# Altium PCB ToucanEyePCB.PcbDoc (part 1 of 5) (continued)
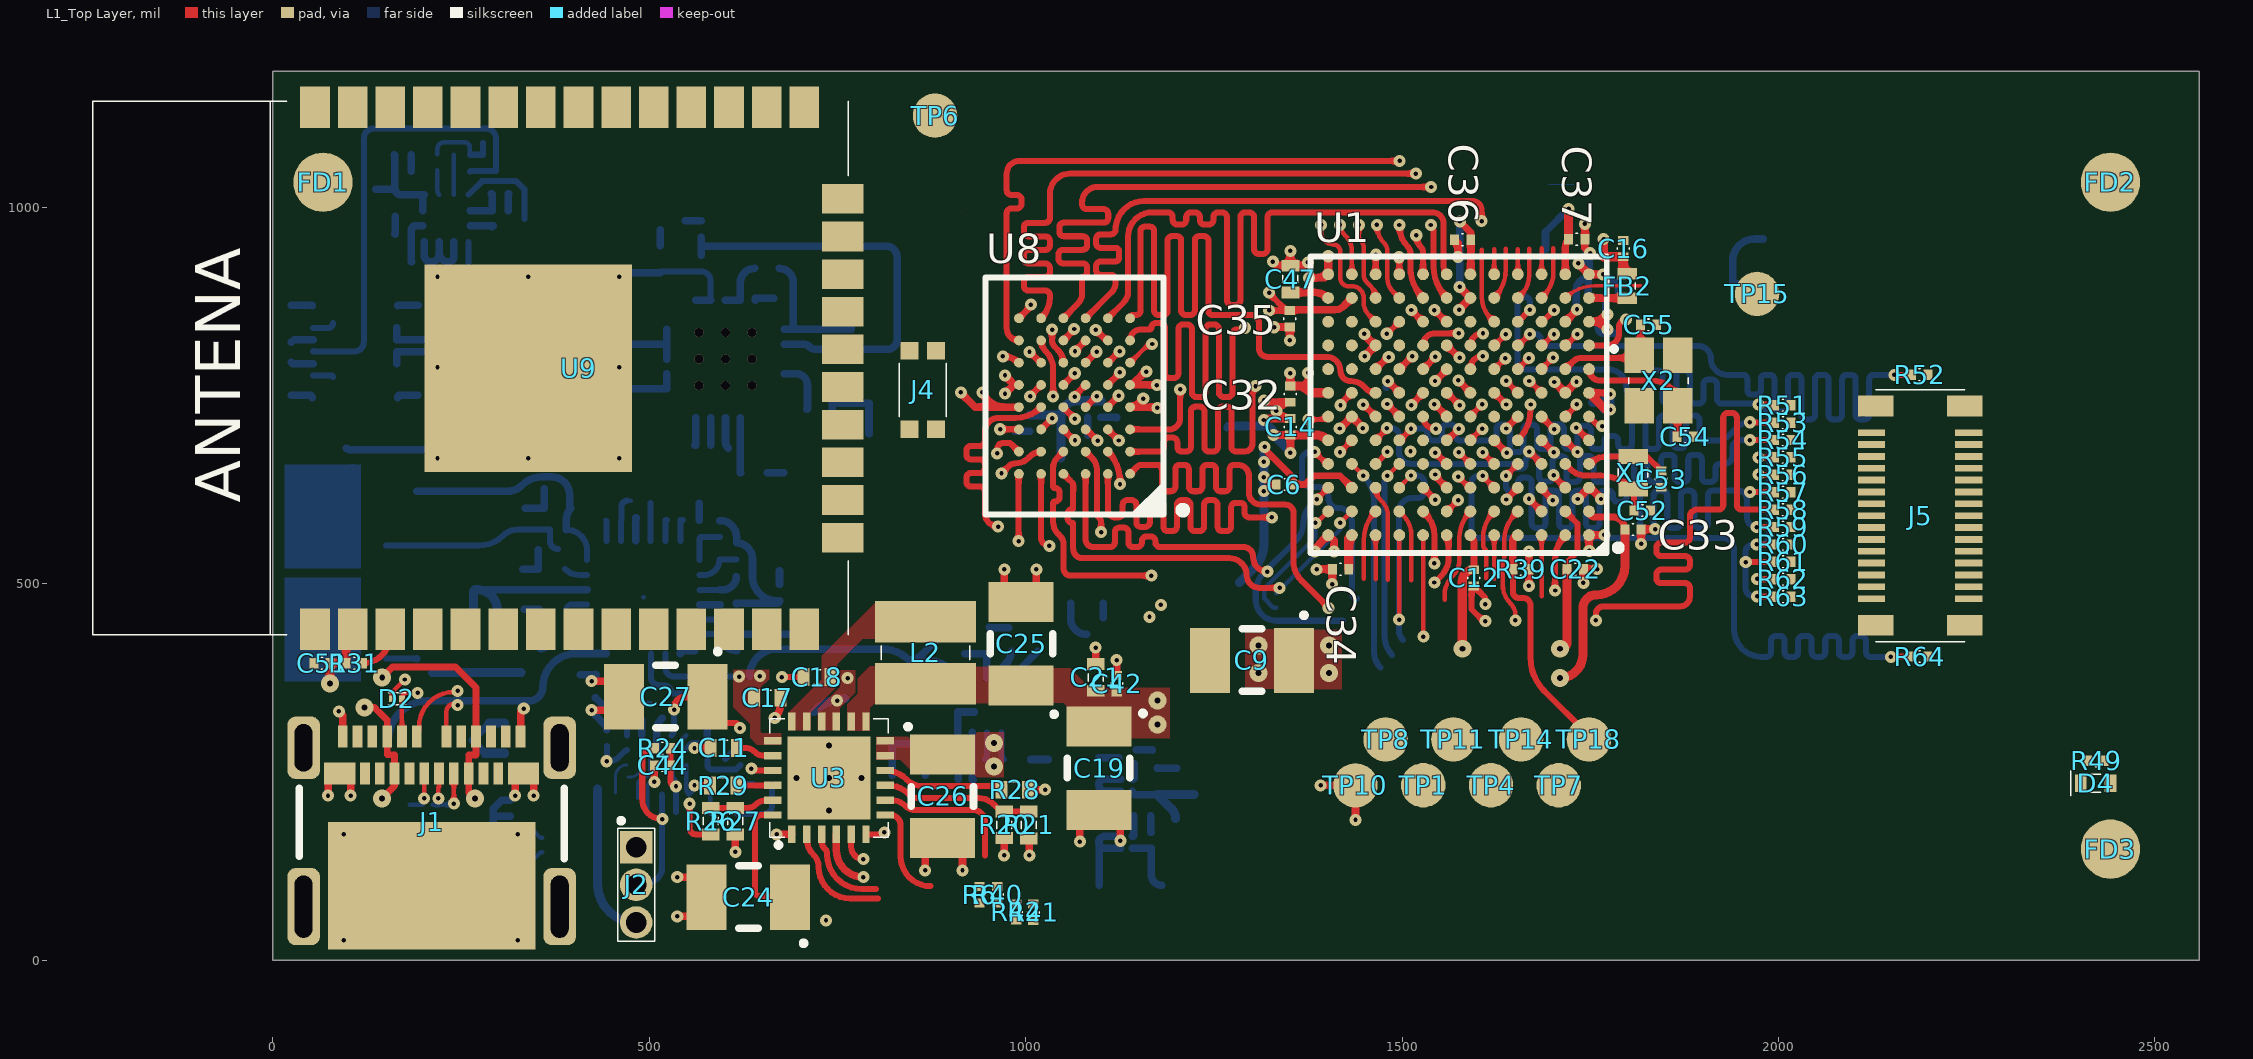
[diagram p0: L1_Top Layer view]
## Classes and differential pairs
net class CAM_DATA: CAM_D0 CAM_D1 CAM_D2 CAM_D3 CAM_D4 CAM_D5 CAM_D6 CAM_D7 CAM_D8 CAM_D9 CAM_HSYNC CAM_PIXCLK CAM_VSYNC CAM_XVCLK
net class PSRAM_DATA: PSRAM_D0 PSRAM_D1 PSRAM_D2 PSRAM_D3 PSRAM_D4 PSRAM_D5 PSRAM_D6 PSRAM_D7 PSRAM_D8 PSRAM_D9 PSRAM_D10 PSRAM_D11 PSRAM_D12 PSRAM_D13 PSRAM_D14 PSRAM_D15
net class PSRAM_ADDRESS: PSRAM_A0 PSRAM_A1 PSRAM_A2 PSRAM_A3 PSRAM_A4 PSRAM_A5 PSRAM_A6 PSRAM_A7 PSRAM_A8 PSRAM_A9 PSRAM_A10 PSRAM_A11 PSRAM_A12 PSRAM_A13 PSRAM_A14 PSRAM_A15 PSRAM_A16 PSRAM_A17 PSRAM_A18 PSRAM_A19 PSRAM_A20 PSRAM_A21 PSRAM_NBL0 PSRAM_NBL1 PSRAM_NE1 PSRAM_NOE PSRAM_NWE PSRAM_ZZ
component class WROOM32: C51 R31 R32 R33 R34 R35 U9
component class TestPoints: FD1 FD2 FD3 FD4 FD5 FD6 TP1 TP2 TP4 TP5 TP6 TP7 TP8 TP10 TP11 TP12 TP13 TP14 TP15 TP16 TP17 TP18 TP19 TP20 TP21
component class SWITCH: C69 C70 C71 C72 C73 C74 D4 J4 J5 R44 R49 R51 R52 R53 R54 R55 R56 R57 R58 R59 R60 R61 R62 R63 R64 R65 R66 U13
component class PSRAM: C49 C50 C56 U8
component class DC: C1 C2 C3 C7 C8 C10 C11 C17 C18 C19 C21 C23 C24 C25 C26 C27 C28 C29 C30 C31 C39 C40 C41 C42 C43 C44 C45 C46 C67 C68 D2 D3 FB1 J1 J2 L1 L2 Q1 Q2 R1 R2 R3 R4 R5 R6 R7 R8 R9 R10 R11 R12 R13 R14 R15 R16 R17 R18 R19 R20 R21 R22 R23 R24 R25 R26 R27 R28 R29 R40 R41 R42 R43 U2 U3 U4 U5 U6 U7 U12
component class CPU: C6 C9 C12 C13 C14 C15 C16 C20 C22 C32 C33 C34 C35 C36 C37 C38 C47 C48 C52 C53 C54 C55 FB2 R30 R39 U1 X1 X2
component class AUDIO: C4 C57 C58 C60 C61 C62 C63 FB3 FB4 J3 L3 R36 R37 R38 U10 U11
differential pair SPEAKER: +SPEAKER_P -SPEAKER_N
differential pair DUSB: +DUSB_P -DUSB_N
differential pair DUSB_MCU: +DUSB_MCU_P -DUSB_MCU_N

## Components (designator, comment, footprint, x,y, rotation, side; value= is the part's Value field where it differs from the comment)
C1 "C0402_1uF_TMK105BJ105MV-F" C_0402 378.1,600.2 r0 bottom
C2 "C0402_1uF_TMK105BJ105MV-F" C_0402 370.4,519.7 r0 bottom
C3 "C0402_1uF_TMK105BJ105MV-F" C_0402 371.6,466.1 r0 bottom
C4 "C0402_1uF_TMK105BJ105MV-F" C_0402 514.9,931.1 r270 bottom
C6 "C0201_100n_GRM033R6YA104KE14D" C_0201 1343.7,631.95 r180 top
C7 "C_22u_TANTAL_A_T491A226K006AT" C_3216 845.25,343.2 r270 bottom
C8 "C_10u_TANTAL_A_T491A106K010AT7280" C_3216 1081.05,377.3 r90 bottom
C9 "C_4.7u_TANTAL_A_TAJA475K016UNJ" C_3216 1300.7,398.35 r180 top
C10 "C0402_10n_C0402C103K4PACTU" C_0402 988.95,266.7 r180 bottom
C11 "C0402_1uF_TMK105BJ105MV-F" C_0402 599.1,282.1 r180 top
C12 "C0201_100n_GRM033R6YA104KE14D" C_0201 1595.2,507.85 r270 top
C13 "C_1u_TANTAL_A_293D105X0025A2TE3" C_3216 1690.6,1000.15 r90 bottom
C14 "C0201_100n_GRM033R6YA104KE14D" C_0201 1351.7,708.65 r90 top
C15 "C_1u_TANTAL_A_293D105X0025A2TE3" C_3216 1883.6,928.8 r0 bottom
C16 "C0201_10n_CGA1A2X7R1A103K030BA" C_0201 1793.7,945.35 r90 top
C17 "C0402_2.2u_GRT155R61E225KE13D" C_0402 656.9,348.6 r0 top
C18 "C0402_33n_GCM155R71E333KA55D" C_0402 722.8,376.2 r0 top
C19 "C_22u_TANTAL_A_T491A226K006AT" C_3216 1097.5,255.2 r270 top
C20 "C0201_100n_GRM033R6YA104KE14D" C_0201 1758.5,906.6 r0 bottom
C21 "C0402_1uF_TMK105BJ105MV-F" C_0402 1093.1,375.8 r270 top
C22 "C0201_100n_GRM033R6YA104KE14D" C_0201 1730.2,519.55 r180 top
C23 "C_1u_TANTAL_A_293D105X0025A2TE3" C_3216 209.2,292.4 r0 bottom
C24 "C_1u_TANTAL_A_293D105X0025A2TE3" C_3216 631.8,83.7 r180 top
C25 "C_22u_TANTAL_A_T491A226K006AT" C_3216 993.9,420.4 r90 top
C26 "C_1u_TANTAL_A_293D105X0025A2TE3" C_3216 889.8,217.8 r270 top
C27 "C_1u_TANTAL_A_293D105X0025A2TE3" C_3216 521.9,350.1 r180 top
C28 "C0402_33n_GCM155R71E333KA55D" C_0402 599.1,233.4 r180 bottom
C29 "C0402_1uF_TMK105BJ105MV-F" C_0402 1174.9,237.7 r270 bottom
C30 "C0402_1uF_TMK105BJ105MV-F" C_0402 1097.1,251.32 r90 bottom
C31 "C_1u_TANTAL_A_293D105X0025A2TE3" C_3216 270.6,437.1 r270 bottom
C32 "C0201_100n_GRM033R6YA104KE14D" C_0201 1351.7,752.05 r90 top
C33 "C0201_100n_GRM033R6YA104KE14D" C_0201 1806.8,572.25 r180 top
C34 "C0201_100n_GRM033R6YA104KE14D" C_0201 1418.4,519.55 r0 top
C35 "C0201_100n_GRM033R6YA104KE14D" C_0201 1351.1,852.15 r90 top
C36 "C0201_100n_GRM033R6YA104KE14D" C_0201 1580.5,957.15 r0 top
C37 "C0201_100n_GRM033R6YA104KE14D" C_0201 1732.1,957.55 r180 top
C38 "C0201_100n_GRM033R6YA104KE14D" C_0201 1752.2,752.05 r270 bottom
C39 "C0201_100n_GRM033R6YA104KE14D" C_0201 307,104.4 r180 bottom
C40 "C0201_100n_GRM033R6YA104KE14D" C_0201 673.1,488.4 r270 bottom
C41 "C0201_100n_GRM033R6YA104KE14D" C_0201 1146.9,290.4 r270 bottom
C42 "C0201_100n_GRM033R6YA104KE14D" C_0201 1120.9,367.4 r270 top
C43 "C0201_100n_GRM033R6YA104KE14D" C_0201 577.3,278.53 r90 bottom
C44 "C0201_100n_GRM033R6YA104KE14D" C_0201 517.7,258.8 r0 top
C45 "C0201_100n_GRM033R6YA104KE14D" C_0201 458.4,332.8 r180 bottom
C46 "C0201_100n_GRM033R6YA104KE14D" C_0201 600.4,278.53 r90 bottom
C47 "C0402_2.2u_GRT155R61E225KE13D" C_0402 1351.7,904.85 r270 top
C48 "C0201_100n_GRM033R6YA104KE14D" C_0201 1761,850.2 r90 bottom
C49 "C0201_100n_GRM033R6YA104KE14D" C_0201 1005.7,713.55 r90 bottom
C50 "C0201_100n_GRM033R6YA104KE14D" C_0201 1100.1,732.42 r90 bottom
C51 "C0201_100n_GRM033R6YA104KE14D" C_0201 65.4,394.6 r0 top
C52 "C0201_5.6pF_GRM0335C1H5R6BA01D" C_0201 1819.23,597.4 r180 top
C53 "C0201_5.6pF_GRM0335C1H5R6BA01D" C_0201 1844.2,639.2 r270 top
C54 "C0201_6.8pF_GJM0335C1E6R8CB01D" C_0201 1876.3,695.35 r0 top
C55 "C0201_6.8pF_GJM0335C1E6R8CB01D" C_0201 1827.6,843.95 r180 top
C56 "C0402_10u_GRM155C80J106ME11D" C_0402 1064.6,721.25 r180 bottom
C57 "C0201_100n_GRM033R6YA104KE14D" C_0201 2172.6,658.95 r270 bottom
C58 "C_22u_TANTAL_A_T491A226K006AT" C_3216 406.3,891.7 r180 bottom
C60 "C_10u_TANTAL_A_T491A106K010AT7280" C_3216 768.1,795.3 r270 bottom
C61 "C0402_1uF_TMK105BJ105MV-F" C_0402 622.9,679.9 r180 bottom
C62 "C0402_1uF_TMK105BJ105MV-F" C_0402 639,647.6 r180 bottom
C63 "C0402_10u_GRM155C80J106ME11D" C_0402 2199.8,624.45 r90 bottom
C67 "C0402_1uF_TMK105BJ105MV-F" C_0402 1097.1,174.1 r270 bottom
C68 "C0201_100n_GRM033R6YA104KE14D" C_0201 1166.7,159.1 r270 bottom
C69 "C0201_100n_GRM033R6YA104KE14D" C_0201 2207.5,672.05 r270 bottom
C70 "C0201_100n_GRM033R6YA104KE14D" C_0201 2207.5,620.95 r90 bottom
C71 "C0201_100n_GRM033R6YA104KE14D" C_0201 2207.5,555.95 r90 bottom
C72 "C0402_10n_C0402C103K4PACTU" C_0402 162.9,1005.7 r270 bottom
C73 "C0201_100n_GRM033R6YA104KE14D" C_0201 302.1,995.4 r0 bottom
C74 "C0201_100n_GRM033R6YA104KE14D" C_0201 173,1048 r180 bottom
D2 "ESDALC5-1BF4" DFN35P60X32-2N 165,347.5 r0 top
D3 "ESDALC5-1BF4" DFN35P60X32-2N 205.7,206.5 r0 bottom
D4 "SM0402PGC" LED0402 2421.2,235.15 r180 top
FB1 "BLM18PG-121SN1D" L_0603 144.1,89.1 r180 bottom
FB2 "BLM15AG121SN1D" L_0402 1799.2,895.65 r270 top locked
FB3 "BLM18EG121SN1D" L_0603 416.06,809.1 r180 bottom
FB4 "BLM18EG121SN1D" L_0603 416.06,758 r180 bottom
FD1 "Fiducial" Fiducial#1 66.8,1033.4 r0 top
FD2 "Fiducial" Fiducial#2 2476.7,1055.4 r90 top
FD3 "Fiducial" Fiducial#3 2485.5,-219.2 r90 top
FD4 "Fiducial" Fiducial#4 65.2,1268.6 r90 top
FD5 "Fiducial" Fiducial#5 2453.6,1413.6 r90 top
FD6 "Fiducial" Fiducial#6 2720.8,2573.3 r90 top
J1 "105450-0101" "USB TYPE C (MOLEX)" 211,149.98 r0 top
J2 "Goldpin 3x1.27mm NDI" "HEADER 3x1.27mm" 482.7,150.2 r270 top net-tie
J3 "BM10NB(0.6)-10DS-0.4V(51)" BM10NB(0.6)-10DS-0.4V(51) 109.1,808.4 r90 bottom
J4 "EVP-BB2A9B000" CON_EVP-BB2A9B000 863.4,757.6 r270 top
J5 "AXT530124" AXT530124 2188.33,590.55 r90 top
L1 "L_1u_3x3_74438334010" L_3x3 719.2,372 r90 bottom
L2 "l_1U_3X3_74438336010" L_3x3 867,408.5 r270 top
L3 "744765062A" L_0402 656.3,919 r180 bottom
Q1 "STL9P3LLH6" PowerFLAT 90.5,439.2 r270 bottom
Q2 "STL9P3LLH6" PowerFLAT 90.24,589.59 r270 bottom
R1 "R0402_50k_CRCW040250K0FKED" R_0402 919.35,424.6 r90 bottom
R2 "R0402_20k_ERJ-2RKF2002X" R_0402 951.75,424.6 r270 bottom
R3 "R0402_100k_ERJ-2RKF1003X" R_0402 998.55,410.4 r0 bottom
R4 "R0402_0ohm_RC0402FR-070RL" R_0402 927.95,266.7 r0 bottom
R5 "R0201_10k_ERJ-1GNF1002C" R_0201 379.2,571.9 r0 bottom
R6 "R0201_10k_ERJ-1GNF1002C" R_0201 938.8,87.07 r270 top
R7 "R0201_1k_ERJ-1GNF1001C" R_0201 380,432.8 r180 bottom
R8 "R0201_10k_ERJ-1GNF1002C" R_0201 616,422.1 r90 bottom
R9 "R0201_10k_ERJ-1GNF1002C" R_0201 482.8,369.9 r270 bottom
R10 "R0201_10k_ERJ-1GNF1002C" R_0201 622.5,377 r0 bottom
R11 "R0201_10k_ERJ-1GNF1002C" R_0201 616,463.2 r90 bottom
R12 "R0201_10k_ERJ-1GNF1002C" R_0201 616.2,543.5 r90 bottom
R13 "R0201_10k_ERJ-1GNF1002C" R_0201 593.9,573.3 r90 bottom
R14 "R0201_10k_ERJ-1GNF1002C" R_0201 626.4,509.7 r0 bottom
R15 "R0201_10k_ERJ-1GNF1002C" R_0201 440.43,379.2 r180 bottom
R16 "R0201_0_ERJ-1GN0R00C" R_0201 452.4,584.8 r180 bottom
R17 "R0201_0_ERJ-1GN0R00C" R_0201 512.8,584.8 r0 bottom
R18 "R0201_1k_ERJ-1GNF1001C" R_0201 562,354.5 r0 bottom
R19 "R0201_1k_ERJ-1GNF1001C" R_0201 555.5,584.8 r180 bottom
R20 "R0402_100k_ERJ-2RKF1003X" R_0402 971.5,180 r270 top
R21 "R0402_100k_ERJ-2RKF1003X" R_0402 1004.3,179.7 r90 top
R22 "R0402_1.8Mohm_ERJ-2GEJ185X" R_0402 599.1,194.5 r180 bottom
R23 "R0402_18.2k_ERJ-2RKF1822X" R_0402 535,220.1 r0 bottom
R24 "R0201_1k_ERJ-1GNF1001C" R_0201 517.7,281.8 r0 top
R25 "R2512_10m_WW25RR010FTL" R2512 720,90.3 r180 bottom
R26 "R0402_274k_ERJ-2RKF2743X" R_0402 581.7,184.7 r270 top
R27 "R0402_100k_ERJ-2RKF1003X" R_0402 614.4,184.7 r90 top
R28 "R0402_124OHM_ERJ-2RKF1240X" R_0402 985.5,226.6 r180 top
R29 "R0402_0ohm_RC0402FR-070RL" R_0402 598.4,232.1 r0 top
R30 "R0201_10k_ERJ-1GNF1002C" R_0201 1758.5,882.7 r180 bottom
R31 "R0201_10k_ERJ-1GNF1002C" R_0201 108.3,394.6 r180 top
R32 "(NDI)0201" R_0201_NF 637.8,1058.1 r180 bottom value=R
R33 "(NDI)0201" R_0201_NF 637.8,1011.2 r180 bottom value=R
R34 "R0201_0_ERJ-1GN0R00C" R_0201 637.8,1034.7 r180 bottom
R35 "R0201_0_ERJ-1GN0R00C" R_0201 637.8,1081.3 r180 bottom
R36 "R0201_10k_ERJ-1GNF1002C" R_0201 2172.6,615.55 r90 bottom
R37 "R0201_88.7k_ERJ-1GNF8872C" R_0201 569.02,971.3 r270 bottom
R38 "R0201_453k_RC0201FR-07453KL" R_0201 569,925.6 r270 bottom
R39 "R0201_100k_CRCW0201100KJN-ED" R_0201 1658,519.55 r180 top
R40 "R0201_10k_ERJ-1GNF1002C" R_0201 962.2,87.1 r270 top
R41 "R0201_10k_ERJ-1GNF1002C" R_0201 1010.1,63.67 r90 top
R42 "R0201_10k_ERJ-1GNF1002C" R_0201 987.7,64.17 r90 top
R43 "R0201_10k_ERJ-1GNF1002C" R_0201 443.7,295.33 r90 bottom
R44 "(NDI)0201" R_0201_NF 218.8,1060 r90 bottom value=R
R49 "R0201_100R_ERJ-1GNF1000C" R_0201 2422,265.25 r180 top
R51 "R0201_22R_ERJ-1GNF22R0C" R_0201 2005.8,737.35 r0 top
R52 "R0201_22R_ERJ-1GNF22R0C" R_0201 2187.6,777.7 r180 top
R53 "R0201_22R_ERJ-1GNF22R0C" R_0201 2005.8,714.23 r0 top
R54 "R0201_22R_ERJ-1GNF22R0C" R_0201 2005.8,691.1 r0 top
R55 "R0201_22R_ERJ-1GNF22R0C" R_0201 2005.8,667.98 r0 top
R56 "R0201_22R_ERJ-1GNF22R0C" R_0201 2005.8,644.86 r0 top
R57 "R0201_22R_ERJ-1GNF22R0C" R_0201 2005.8,621.74 r0 top
R58 "R0201_22R_ERJ-1GNF22R0C" R_0201 2005.8,598.61 r0 top
R59 "R0201_22R_ERJ-1GNF22R0C" R_0201 2005.8,575.49 r0 top
R60 "R0201_22R_ERJ-1GNF22R0C" R_0201 2005.8,552.37 r0 top
R61 "R0201_22R_ERJ-1GNF22R0C" R_0201 2005.8,529.25 r0 top
R62 "R0201_22R_ERJ-1GNF22R0C" R_0201 2005.8,506.12 r0 top
R63 "R0201_22R_ERJ-1GNF22R0C" R_0201 2005.8,483 r0 top
R64 "R0201_22R_ERJ-1GNF22R0C" R_0201 2187.6,403.5 r180 top
R65 "(NDI)0201" R_0201_NF 251.5,1047.45 r0 bottom value=R
R66 "R0201_0_ERJ-1GN0R00C" R_0201 251.5,1070 r0 bottom
TP1 "Test_Point" TP#1 1528.2,232.5 r180 bottom
TP2 "Test_Point" TP#1 1098,99.6 r90 top
TP4 "Test_Point" TP#2 1618.2,232.81 r90 top
TP5 "Test_Point" TP#1 220.1,678.3 r90 top
TP6 "Test_Point" TP#3 879.7,1121.9 r90 top
TP7 "Test_Point" TP#4 1693.1,229.5 r90 top
TP8 "Test_Point" TP#5 1478.6,292.8 r90 top
TP10 "Test_Point" TP#6 1437.9,232.4 r90 top
TP11 "Test_Point" TP#7 1568.2,293.1 r90 top
TP12 "Test_Point" TP#3 857.5,1008.5 r90 bottom
TP13 "Test_Point" TP#3 318.9,707.1 r90 bottom
TP14 "Test_Point" TP#8 1658.2,289 r90 top
TP15 "Test_Point" TP#3 1971.6,885.1 r90 top
TP16 "Test_Point" TP#1 449.8,1024.7 r90 top
TP17 "Test_Point" TP#1 449.8,1106 r90 top
TP18 "Test_Point" TP#9 1747.6,292.2 r90 top
TP19 "Test_Point" TP#1 700.79,1009.1 r90 top
TP20 "Test_Point" TP#10 701.7,1081.9 r90 top
TP21 "Test_Point" TP#1 1181.1,99.6 r90 top
U1 "STM32L4R9ZIJ6" BGA144C80P12X12_1000X1000X60 1575.14,737.99 r180 top locked
U2 "STUSB1602AQTR" QFN24 492.3,482.3 r270 bottom
U3 "BQ24250RGET" VQFN 738.8,242.19 r90 top
U4 "TPS62097RWKT" VQFN_11 958.39,338.64 r0 bottom
U5 "BQ27532YZFT-G1" DSBGA-15_PINS 510,279.02 r270 bottom
U6 "TLV70533PYFPR" DSBGA 1134,232.6 r180 bottom
U7 "USBLC6-2P6" SOT-666 291.3,153 r180 bottom
U8 "IS66WVE4M16EBLL-70BLI" BGA48C75P6X8_600X800X120 1064.96,749.47 r180 top locked
U9 "WROOM-32" WROOM-32 262.73,786.45 r90 top
U10 "MP34DT01TR" HCLGA 2119.27,600.05 r180 bottom
U11 "TPA2014D1RGPT" QFN_16x0,5 601.38,798.71 r180 bottom
U12 "TLV70515YFPT" DSBGA 1134,156.67 r180 bottom
U13 "LIS2DW12TR" LGA-12 230.69,985.65 r180 bottom
X1 "ABS05-32.768KHZ-9-T" CRYSTAL_1.6X1 1807,647.55 r270 top
X2 "CX2520DB16000F0FDFC1" CRYSTAL_2.5x2 1840.6,769.95 r270 top

## Footprints (in the part's own frame and the unit in brackets; to place one, negate y for a bottom-side part, rotate by r counter-clockwise, add the part's x,y. Pads: shape width x height; smd on the part's side, far side on the other; paste and mask are expansions set on the pad)
AXT530124 [mm]
  rect 0.23x0.92 smd paste+0 mask+0.051: 1(2.8,1.64) 2(2.8,-1.64) 3(2.4,1.64) 4(2.4,-1.64) 5(2,1.64) 6(2,-1.64) 7(1.6,1.64) 8(1.6,-1.64) 9(1.2,1.64) 10(1.2,-1.64) 11(0.8,1.64) 12(0.8,-1.64) 13(0.4,1.64) 14(0.4,-1.64) 15(0,1.64) 16(0,-1.64) 17(-0.4,1.64) 18(-0.4,-1.64) 19(-0.8,1.64) 20(-0.8,-1.64) 21(-1.2,1.64) 22(-1.2,-1.64) 23(-1.6,1.64) 24(-1.6,-1.64) 25(-2,1.64) 26(-2,-1.64) 27(-2.4,1.64) 28(-2.4,-1.64) 29(-2.8,1.64) 30(-2.8,-1.64)
  rect 0.7x1.2 smd paste+0 mask+0.051: TP(-3.7,-1.5) TP(-3.7,1.5) TP(3.7,-1.5) TP(3.7,1.5)
  silkscreen extent -4.25,-1.5 4.25,1.5
BGA48C75P6X8_600X800X120 [mm] "BGA, 48-Leads, Body 6,00x8,00mmx1,20mm, Pitch 0,75mm"
  round 0.33 smd mask+0.051: A1(-1.875,2.625) A2(-1.125,2.625) A3(-0.375,2.625) A4(0.375,2.625) A5(1.125,2.625) A6(1.875,2.625) B1(-1.875,1.875) B2(-1.125,1.875) B3(-0.375,1.875) B4(0.375,1.875) B5(1.125,1.875) B6(1.875,1.875) C1(-1.875,1.125) C2(-1.125,1.125) C3(-0.375,1.125) C4(0.375,1.125) C5(1.125,1.125) C6(1.875,1.125) D1(-1.875,0.375) D2(-1.125,0.375) D3(-0.375,0.375) D4(0.375,0.375) D5(1.125,0.375) D6(1.875,0.375) E1(-1.875,-0.375) E2(-1.125,-0.375) E3(-0.375,-0.375) E4(0.375,-0.375) E5(1.125,-0.375) E6(1.875,-0.375) F1(-1.875,-1.125) F2(-1.125,-1.125) F3(-0.375,-1.125) F4(0.375,-1.125) F5(1.125,-1.125) F6(1.875,-1.125) G1(-1.875,-1.875) G2(-1.125,-1.875) G3(-0.375,-1.875) G4(0.375,-1.875) G5(1.125,-1.875) G6(1.875,-1.875) H1(-1.875,-2.625) H2(-1.125,-2.625) H3(-0.375,-2.625) H4(0.375,-2.625) H5(1.125,-2.625) H6(1.875,-2.625)
  silkscreen extent -3.78,-4 3,4, body extent -3,-4 3,4, height 1.2
BGA144C80P12X12_1000X1000X60 [mm] "BGA, 144-Leads, Body 10,00x10,00mmx0,60mm, Pitch 0,80mm"
  round 0.4 smd paste+0 mask+0.075: A1(-4.4,4.4) A2(-3.6,4.4) A3(-2.8,4.4) A4(-2,4.4) A5(-1.2,4.4) A6(-0.4,4.4) A7(0.4,4.4) A8(1.2,4.4) A9(2,4.4) A10(2.8,4.4) A11(3.6,4.4) A12(4.4,4.4) B1(-4.4,3.6) B2(-3.6,3.6) B3(-2.8,3.6) B4(-2,3.6) B5(-1.2,3.6) B6(-0.4,3.6) B7(0.4,3.6) B8(1.2,3.6) B9(2,3.6) B10(2.8,3.6) B11(3.6,3.6) B12(4.4,3.6) C1(-4.4,2.8) C2(-3.6,2.8) C3(-2.8,2.8) C4(-2,2.8) C5(-1.2,2.8) C6(-0.4,2.8) C7(0.4,2.8) C8(1.2,2.8) C9(2,2.8) C10(2.8,2.8) C11(3.6,2.8) C12(4.4,2.8) D1(-4.4,2) D2(-3.6,2) D3(-2.8,2) D4(-2,2) D5(-1.2,2) D6(-0.4,2) D7(0.4,2) D8(1.2,2) D9(2,2) D10(2.8,2) D11(3.6,2) D12(4.4,2) E1(-4.4,1.2) E2(-3.6,1.2) E3(-2.8,1.2) E4(-2,1.2) E5(-1.2,1.2) E6(-0.4,1.2) E7(0.4,1.2) E8(1.2,1.2) E9(2,1.2) E10(2.8,1.2) E11(3.6,1.2) E12(4.4,1.2) F1(-4.4,0.4) F2(-3.6,0.4) F3(-2.8,0.4) F4(-2,0.4) F5(-1.2,0.4) F6(-0.4,0.4) F7(0.4,0.4) F8(1.2,0.4) F9(2,0.4) F10(2.8,0.4) F11(3.6,0.4) F12(4.4,0.4) G1(-4.4,-0.4) G2(-3.6,-0.4) G3(-2.8,-0.4) G4(-2,-0.4) G5(-1.2,-0.4) G6(-0.4,-0.4) G7(0.4,-0.4) G8(1.2,-0.4) G9(2,-0.4) G10(2.8,-0.4) G11(3.6,-0.4) G12(4.4,-0.4) H1(-4.4,-1.2) H2(-3.6,-1.2) H3(-2.8,-1.2) H4(-2,-1.2) H5(-1.2,-1.2) H6(-0.4,-1.2) H7(0.4,-1.2) H8(1.2,-1.2) H9(2,-1.2) H10(2.8,-1.2) H11(3.6,-1.2) H12(4.4,-1.2) J1(-4.4,-2) J2(-3.6,-2) J3(-2.8,-2) J4(-2,-2) J5(-1.2,-2) J6(-0.4,-2) J7(0.4,-2) J8(1.2,-2) J9(2,-2) J10(2.8,-2) J11(3.6,-2) J12(4.4,-2) K1(-4.4,-2.8) K2(-3.6,-2.8) K3(-2.8,-2.8) K4(-2,-2.8) K5(-1.2,-2.8) K6(-0.4,-2.8) K7(0.4,-2.8) K8(1.2,-2.8) K9(2,-2.8) K10(2.8,-2.8) K11(3.6,-2.8) K12(4.4,-2.8) L1(-4.4,-3.6) L2(-3.6,-3.6) L3(-2.8,-3.6) L4(-2,-3.6) L5(-1.2,-3.6) L6(-0.4,-3.6) L7(0.4,-3.6) L8(1.2,-3.6) L9(2,-3.6) L10(2.8,-3.6) L11(3.6,-3.6) L12(4.4,-3.6) M1(-4.4,-4.4) M2(-3.6,-4.4) M3(-2.8,-4.4) M4(-2,-4.4) M5(-1.2,-4.4) M6(-0.4,-4.4) M7(0.4,-4.4) M8(1.2,-4.4) M9(2,-4.4) M10(2.8,-4.4) M11(3.6,-4.4) M12(4.4,-4.4)
  L1_Top Layer lines w0.12: -3.6,-3.6 -3.625,-3.6
  silkscreen extent -5.48,-5 5,5, body extent -5,-5 5,5, height 0.6
BM10NB(0.6)-10DS-0.4V(51) [mm]
  rect 0.25x0.5 smd paste+0 mask+0.051: 1(-0.8,-1.405) 2(-0.8,1.405) 3(-0.4,-1.405) 4(-0.4,1.405) 5(0,-1.405) 6(0,1.405) 7(0.4,-1.405) 8(0.4,1.405) 9(0.8,-1.405) 10(0.8,1.405)
  rect 0.92x0.55 smd paste+0 mask+0.051: 11(-1.55,-1.445) 11(-1.55,1.445) 11(1.55,-1.445) 11(1.55,1.445)
  silkscreen extent -2.2,-2.06 2.2,1.49
C_0201 [mm]
  rect 0.3x0.35 smd paste+0 mask+0.051: 1(-0.275,0) 2(0.275,0)
  silkscreen extent -0.03,-0.2 0.03,0.2, body extent -0.3,-0.15 0.3,0.15, height 0.3
C_0402 [mm]
  rect 0.4x0.6 smd paste+0 mask+0.051: 1(-0.45,0) 2(0.45,0)
  silkscreen extent -0.13,-0.25 0.13,0.25, body extent -0.5,-0.25 0.5,0.25, height 0.48
C_3216 [mm]
  rect 1.35x2.2 smd paste+0: 1(-1.41,0) 2(1.41,0)
  silkscreen extent -2.58,-1.11 0.33,1.04, body extent -1.65,-0.93 1.75,0.87, height 1.7
CON_EVP-BB2A9B000 [mm]
  rect 0.6x0.6 smd paste+0 mask+0.051: 1(-1.325,-0.45) 1(-1.325,0.45) 2(1.325,-0.45) 2(1.325,0.45)
  silkscreen extent -0.9,-0.8 0.9,0.8
CRYSTAL_1.6X1 [mm]
  rect 0.5x1 smd paste+0 mask+0.051: 1(-0.55,0) 2(0.55,0)
  silkscreen extent -0.15,-0.5 0.15,0.5, body extent -0.76,-0.51 0.76,0.51, height 0.5
CRYSTAL_2.5x2 [mm]
  rect 1.2x1 smd paste+0 mask+0.051: 1(-0.85,-0.65) 2(0.85,-0.65) 3(0.85,0.65) 4(-0.85,0.65)
  silkscreen extent -1.1,-1.53 0.1,1, body extent -1.36,-1.11 1.36,1.12, height 1.22
DFN35P60X32-2N [mm] "DFN, 2-Leads, Body 0,30x0,60mm, Pitch 0,35mm, IPC Medium Density"
  rect 0.187x0.225 smd paste-0.01 mask+0.051: 1(-0.169,0) 2(0.169,0)
  silkscreen extent -0.3,-0.2 0.3,0.2, body extent -0.31,-0.16 0.32,0.16, height 0.32
DSBGA [mm]
  round 0.24 smd paste+0 mask+0.051: A1(-0.2,0.2) A2(0.2,0.2) B1(-0.2,-0.2) B2(0.2,-0.2)
  silkscreen extent -0.46,-0.4 0.4,0.68, body extent -0.4,-0.4 0.4,0.4, height 0.31
DSBGA-15_PINS [mm]
  round 0.24 smd paste+0 mask+0.05: A1(-0.5,1) A2(0,1) A3(0.5,1) B1(-0.5,0.5) B2(0,0.5) B3(0.5,0.5) C1(-0.5,0) C2(0,0) C3(0.5,0) D1(-0.5,-0.5) D2(0,-0.5) D3(0.5,-0.5) E1(-0.5,-1) E2(0,-1) E3(0.5,-1)
  L1_Top Layer lines w0.076: 0,0.508 0,0.5
  silkscreen extent -1.33,-1.32 0.99,1.32, body extent -0.99,-1.32 0.99,1.32, height 0.63
Fiducial#1 [mm]
  round 2 smd paste-1 mask-0.5: 1(0,0.002)
Fiducial#2 [mm]
  round 2 smd paste-1 mask-0.5: 1(-0.557,0.908)
Fiducial#3 [mm]
  round 2 smd paste-1 mask-0.5: 1(9.318,1.132)
Fiducial#4 [mm]
  round 2 smd far side paste-1 mask-0.5: 1(-5.972,-0.041)
Fiducial#5 [mm]
  round 2 smd far side paste-1 mask-0.5: 1(-32.155,0.321)
Fiducial#6 [mm]
  round 2 smd far side paste-1 mask-0.5: 1(-39.112,7.108)
HCLGA [mm]
  rect 0.55x1.05 smd mask+0.051: 1(-0.425,0.675) 2(-0.425,-0.675) 3(0.425,-0.675) 4(0.425,0.675)
  rect 0.35x1.5 smd mask+0.051: 5(-1.225,0) 5(1.225,0)
  rect 1.5x0.35 smd mask+0.051: 5(0,-1.725) 5(0,1.725)
  silkscreen extent -2.07,-2.1 1.6,2.39, body extent -1.5,-2 1.5,2, height 1.06
"HEADER 3x1.27mm" [mm]
  rect 1.1x1.1 hole 0.7 mask+0.127: 1(0,0)
  round 1.1 hole 0.7 paste+0 mask+0.127: 2(1.27,0)
  round 1.1 hole 0.7 mask+0.127: 3(2.54,0)
  silkscreen extent -0.93,-0.63 3.17,0.63
L_3x3 [mm]
  rect 1.4x3.4 smd paste+0 mask+0.051: 1(-1.05,0) 2(1.05,0)
  silkscreen extent -0.23,-1.5 0.23,1.5, body extent -1.5,-1.5 1.5,1.5, height 1.2
L_0402 [mm]
  rect 0.4x0.65 smd paste+0 mask+0.051: 1(-0.413,0) 2(0.413,0)
  silkscreen extent -0.1,-0.28 0.1,0.28, body extent -0.5,-0.27 0.5,0.28, height 0.46
L_0603 [mm]
  rect 0.9x0.9 smd paste+0 mask+0.051: 1(-0.7,0) 2(0.7,0)
  silkscreen extent -0.15,-0.4 0.15,0.4, body extent -0.8,-0.41 0.8,0.41, height 0.6
LED0402 [mm]
  rect 0.4x0.6 smd mask+0.051: 1(-0.5,0) 2(0.5,0)
  silkscreen extent -0.18,-0.42 0.84,0.42, body extent -0.5,-0.3 0.5,0.3, height 0.08
LGA-12 [mm]
  rect 0.3x0.4 smd paste+0 mask+0.051: 1(-0.75,0.8)
  rect 0.4x0.3 smd mask+0.051: 2(-0.8,0.25) 3(-0.8,-0.25) 8(0.8,-0.25) 9(0.8,0.25)
  rect 0.3x0.4 smd mask+0.051: 4(-0.75,-0.8) 5(-0.25,-0.8) 6(0.25,-0.8) 7(0.75,-0.8) 10(0.75,0.8) 11(0.25,0.8) 12(-0.25,0.8)
  silkscreen extent -1.36,-1.1 1.1,1.1
PowerFLAT [mm]
  rect 0.4x0.75 smd paste+0 mask+0.051: 1(-0.975,-1.525) 2(-0.325,-1.525) 3(0.325,-1.525) 4(0.975,-1.525)
  rect 0.4x0.75 smd paste-1 mask+0: 5(0.975,1.525) 6(0.325,1.525) 7(-0.325,1.525) 8(-0.975,1.525)
  L1_Top Layer region: -1.755,1.9 1.755,1.9 1.755,-0.685 -1.755,-0.685
  L1_Top Layer pour cut-out: 2.057,0.533
  silkscreen extent -1.75,-2.02 1.75,-0.84, body extent -1.75,-1.75 1.75,1.75, height 0.9
QFN24 [mm]
  rect 0.6x0.25 smd paste+0 mask+0.051: 1(-1.9,1.25) 2(-1.9,0.75) 3(-1.9,0.25) 4(-1.9,-0.25) 5(-1.9,-0.75) 6(-1.9,-1.25) 13(1.9,-1.25) 14(1.9,-0.75) 15(1.9,-0.25) 16(1.9,0.25) 17(1.9,0.75) 18(1.9,1.25)
  rect 0.25x0.6 smd paste+0 mask+0.051: 7(-1.25,-1.9) 8(-0.75,-1.9) 9(-0.25,-1.9) 10(0.25,-1.9) 11(0.75,-1.9) 12(1.25,-1.9) 19(1.25,1.9) 20(0.75,1.9) 21(0.25,1.9) 22(-0.25,1.9) 23(-0.75,1.9) 24(-1.25,1.9)
  rect 2.8x2.8 smd paste-5 mask+0.051: 25(0,0)
  silkscreen extent -2.3,-2 2,2, body extent -2,-2 2,2, height 1
QFN_16x0,5 [mm]
  rect 0.85x0.28 smd paste+0 mask+0.08: 1(-1.975,1) 2(-1.975,0.5) 3(-1.975,0) 4(-1.975,-0.5) 5(-1.975,-1) 11(1.975,-1) 12(1.975,-0.5) 13(1.975,0) 14(1.975,0.5) 15(1.975,1)
  rect 0.28x0.85 smd paste+0 mask+0.08: 6(-1,-1.975) 7(-0.5,-1.975) 8(0,-1.975) 9(0.5,-1.975) 10(1,-1.975) 16(1,1.975) 17(0.5,1.975) 18(0,1.975) 19(-0.5,1.975) 20(-1,1.975)
  rect 2.7x2.7 smd paste-3 mask+0.08: 21(0,0)
  silkscreen extent -2.43,-2.07 2.07,2.07, body extent -2.07,-2.07 2.07,2.07, height 1
R2512 [mm]
  rect 2x3.3 smd mask+0.051: 1(-3.175,0) 2(3.175,0)
  silkscreen extent -1.8,-1.6 1.8,1.6, body extent -3.35,-1.6 3.35,1.6, height 0.55
R_0201 [mm]
  rect 0.3x0.35 smd mask+0.051: 1(-0.275,0) 2(0.275,0)
  silkscreen extent -0.03,-0.2 0.03,0.2, body extent -0.3,-0.15 0.3,0.15, height 0.3
R_0201_NF [mm]
  rect 0.3x0.35 smd mask+0.051: 1(-0.275,0) 2(0.275,0)
  silkscreen extent -0.03,-0.2 0.03,0.2
R_0402 [mm]
  rect 0.4x0.6 smd paste+0 mask+0.051: 1(-0.45,0) 2(0.45,0)
  silkscreen extent -0.13,-0.25 0.13,0.25, body extent -0.58,-0.28 0.57,0.27, height 0.41
SOT-666 [mm]
  rect 0.99x0.3 smd mask+0.051: 1(-0.805,0.5) 2(-0.805,0) 3(-0.805,-0.5) 4(0.805,-0.5) 5(0.805,0) 6(0.805,0.5)
  silkscreen extent -1.17,-0.85 0.85,1, body extent -0.8,-0.8 0.8,0.8, height 0.6
TP#1 [mm]
  round 1.5 smd far side mask+0.051: 1(0,0)
TP#2 [mm]
  round 1.5 smd mask+0.051: 1(-0.008,0)
TP#3 [mm]
  round 1.5 smd mask+0.051: 1(0,0)
TP#4 [mm]
  round 1.5 smd mask+0.051: 1(0.076,-0.384)
TP#5 [mm]
  round 1.5 smd mask+0.051: 1(0.014,0.01)
TP#6 [mm]
  round 1.5 smd mask+0.051: 1(0,-0.008)
TP#7 [mm]
  round 1.5 smd mask+0.051: 1(0.006,0)
TP#8 [mm]
  round 1.5 smd mask+0.051: 1(0.11,0)
TP#9 [mm]
  round 1.5 smd mask+0.051: 1(0.029,-0.015)
TP#10 [mm]
  round 1.5 smd far side mask+0.051: 1(0,0.023)
"USB TYPE C (MOLEX)" [mm]
  rrect50% 1.1x2.6 hole 0.6 slot 2.1 at 90 deg unplated paste+0 mask+0.051: 1(-4.32,-2)
  rrect50% 1.1x2.6 hole 0.6 slot 2.1 at 90 deg mask+0.051: 2(4.32,-2)
  rrect50% 1.1x2.1 hole 0.6 slot 1.6 at 90 deg mask+0.051: 3(4.32,3.36) 4(-4.32,3.36)
  rect 0.33x0.75 smd mask+0.051: A1(-3,3.745) A2(-2.5,3.745) A3(-2,3.745) A4(-1.5,3.745) A5(-1,3.745) A6(-0.5,3.745) A7(0.5,3.745) A8(1,3.745) A9(1.5,3.745) A10(2,3.745) A11(2.5,3.745) A12(3,3.745) B2(2.25,2.495) B3(1.75,2.495) B4(1.25,2.495) B5(0.75,2.495) B6(0.25,2.495) B7(-0.25,2.495) B8(-0.75,2.495) B9(-1.25,2.495) B10(-1.75,2.495) B11(-2.25,2.495)
  rect 1.05x0.75 smd mask+0.051: B1(3.1,2.495) B12(-3.1,2.495)
  rect 7x4.3 smd paste-5 mask+0.051: B13(0,-1.3)
  silkscreen extent -4.47,-0.38 4.47,2, body extent -4.47,-3.95 4.47,3.95, height 3.28
VQFN [mm]
  rect 0.6x0.25 smd mask+0.07: 1(-1.9,1.25) 2(-1.9,0.75) 3(-1.9,0.25) 4(-1.9,-0.25) 5(-1.9,-0.75) 6(-1.9,-1.25) 13(1.9,-1.25) 14(1.9,-0.75) 15(1.9,-0.25) 16(1.9,0.25) 17(1.9,0.75) 18(1.9,1.25)
  rect 0.25x0.6 smd mask+0.07: 7(-1.25,-1.9) 8(-0.75,-1.9) 9(-0.25,-1.9) 10(0.25,-1.9) 11(0.75,-1.9) 12(1.25,-1.9) 19(1.25,1.9) 20(0.75,1.9) 21(0.25,1.9) 22(-0.25,1.9) 23(-0.75,1.9) 24(-1.25,1.9)
  rect 2.8x2.8 smd paste-5 mask+0.07: 25(0,0)
  silkscreen extent -2.3,-2 2,2, body extent -2,-2 2,2, height 1
VQFN_11 [mm]
  rect 1.15x0.3 smd paste-1.5 mask-0.05: 1(-0.675,0.225) 7(0.675,0.225)
  rect 2.5x0.3 smd paste-2.5 mask-0.05: 2(0,-0.225)
  rect 0.25x0.575 smd mask+0.05: 3(-0.75,-0.913) 4(-0.25,-0.913) 5(0.25,-0.913) 6(0.75,-0.913) 8(0.75,0.913) 9(0.25,0.913) 10(-0.25,0.913) 11(-0.75,0.913)
  silkscreen extent -1.31,-1.05 1.05,1.05, body extent -1.05,-1.05 1.05,1.05, height 1
WROOM-32 [mm]
  rect 1.4x1 smd mask+0.051: 1(-8.8,5.25) 2(-8.8,3.98) 3(-8.8,2.71) 4(-8.8,1.44) 5(-8.8,0.17) 6(-8.8,-1.1) 7(-8.8,-2.37) 8(-8.8,-3.64) 9(-8.8,-4.91) 10(-8.8,-6.18) 11(-8.8,-7.45) 12(-8.8,-8.72) 13(-8.8,-9.99) 14(-8.8,-11.26) 25(8.8,-11.26) 26(8.8,-9.99) 27(8.8,-8.72) 28(8.8,-7.45) 29(8.8,-6.18) 30(8.8,-4.91) 31(8.8,-3.64) 32(8.8,-2.37) 33(8.8,-1.1) 34(8.8,0.17) 35(8.8,1.44) 36(8.8,2.71) 37(8.8,3.98) 38(8.8,5.25)
  rect 1x1.4 smd mask+0.051: 15(-5.715,-12.55) 16(-4.445,-12.55) 17(-3.175,-12.55) 18(-1.905,-12.55) 19(-0.635,-12.55) 20(0.635,-12.55) 21(1.905,-12.55) 22(3.175,-12.55) 23(4.445,-12.55) 24(5.715,-12.55)
  rect 7x7 smd mask+0.051: 39(0,-1.945)
  silkscreen extent -9,-12.75 9,12.75, body extent -9.04,-12.77 9.04,12.77, height 3

## Part data
C1 C2 C3 C4 C11 C21 C29 C30 C61 C62 C67: "CAP CER 1UF 25V X5R 0402", Capacitance=1uF, Case/Package=0402, Case Code (Metric)=1005, Dielectric=X5R, Manufacturer="Taiyo Yuden", Manufacturer Part Number=TMK105BJ105MV-F, Max Operating Temperature=85°C, Min Operating Temperature=-55°C, Package Quantity=1, Supplier Part Number 1=963-TMK105BJ105MV-F, Tolerance=20%, Voltage Rating=25V, *PCBChecked=1, *SCHChecked=1, Case Code (Imperial)=0402, ComponentLink1Description=https://datasheet.ciiva.com/30154/128tmk105bj105mv-f-30154639.pdf, ComponentLink1URL=https://datasheet.ciiva.com/30154/128tmk105bj105mv-f-30154639.pdf, ComponentLink2Description=https://datasheet.ciiva.com/15922/tmk105bj105mv-f-pdf-15922317.pdf, ComponentLink2URL=https://datasheet.ciiva.com/15922/tmk105bj105mv-f-pdf-15922317.pdf, ComponentLink3Description=https://datasheet.ciiva.com/11596/tmk105bj105mv-f-ss-11596466.pdf, ComponentLink3URL=https://datasheet.ciiva.com/11596/tmk105bj105mv-f-ss-11596466.pdf, ComponentLink4Description=https://datasheet.ciiva.com/13404/mlcc-all-e-541559-13404206.pdf, ComponentLink4URL=https://datasheet.ciiva.com/13404/mlcc-all-e-541559-13404206.pdf, Composition=Ceramic, Depth=0.5mm, Halogen Free="Halogen Free", Height=0.5mm, Length=1mm, Mount="Surface Mount", Packaging="Tape and Reel", Pricing 1="1=0.28, 10=0.098, 50=0.098, 100=0.054, 1000=0.028, 10000=0.019 (USD)", Radiation Hardening=No, Stock 1=60117, Supplier 1=Mouser, Termination=SMD/SMT, Thickness=0.022inch, Voltage Rating (DC)=25V, Width=0.02inch
C6 C12 C14 C20 C22 C32 C33 C34 C35 C36 C37 C38 C39 C40 C41 C42 C43 C44 C45 C46 C48 C49 C50 C51 C57 C68 C69 C70 C71 C73 C74: "Multilayer Ceramic Capacitors MLCC - SMD/SMT 0201 0.10uF 35volts *Derate Voltage/Temp", Capacitance=100nF, Case/Package=0201, Case Code (Metric)=0603, Dielectric=X5R, Manufacturer=Murata, Manufacturer Part Number=GRM033R6YA104KE14D, Max Operating Temperature=85°C, Min Operating Temperature=-55°C, Package Quantity=15000, Supplier Part Number 1=81-GRM33R6YA104KE14D, Tolerance=10%, Voltage Rating=35V, Case Code (Imperial)=0201, ComponentLink1Description=http://www.mouser.com/ds/2/281/c02e-2905.pdf, ComponentLink1URL=http://www.mouser.com/ds/2/281/c02e-2905.pdf, ComponentLink2Description=http://search.murata.co.jp/Ceramy/image/img/A01X/partnumbering_e_01.pdf, ComponentLink2URL=http://search.murata.co.jp/Ceramy/image/img/A01X/partnumbering_e_01.pdf, Height=0.3mm, Length=0.024inch, Mount="Surface Mount", Packaging="Tape and Reel", Pricing 1="1=0.1, 10=0.061, 50=0.061, 100=0.027, 1000=0.015, 10000=0.01 (USD)", Stock 1=295799, Supplier 1=Mouser, Termination=SMD/SMT, Thickness=0.013inch, Voltage Rating (DC)=35V, Weight=1.2E-05oz, Width=0.3mm
C7 C19 C25 C58: "Cap Tant Solid 22uF 6.3V A CASE 10% (3.2 X 1.6 X 1.6mm) SMD 3216-18 4 Ohm 125C T/R", Capacitance=22uF, Case/Package=1206, Case Code (Metric)=3216, Dielectric Material=Tantalum, ESR (Equivalent Series Resistance)=4R, Leakage Current=1.4uA, Manufacturer=KEMET, Manufacturer Part Number=T491A226K006AT, Max Operating Temperature=125°C, Min Operating Temperature=-55°C, Package Quantity=1, Ripple Current=137mA, Supplier Part Number 1=80-T491A226K006, Tolerance=10%, Voltage=6.3V, *PCBChecked=1, *SCHChecked=1, Case Code (Imperial)=1206, ComponentLink1Description=https://datasheet.ciiva.com/12884/kem-t2005-t491-12884456.pdf, ComponentLink1URL=https://datasheet.ciiva.com/12884/kem-t2005-t491-12884456.pdf, ComponentLink2Description=https://datasheet.ciiva.com/6248/kem-t2005-t491-6248094.pdf, ComponentLink2URL=https://datasheet.ciiva.com/6248/kem-t2005-t491-6248094.pdf, ComponentLink3Description=https://datasheet.ciiva.com/28488/1854511-28488485.pdf, ComponentLink3URL=https://datasheet.ciiva.com/28488/1854511-28488485.pdf, ComponentLink4Description=https://datasheet.ciiva.com/5934/kem-t2005-t491-5934246.pdf, ComponentLink4URL=https://datasheet.ciiva.com/5934/kem-t2005-t491-5934246.pdf, Depth=1.6mm, Dissipation Factor=6%, Failure Rate=0.001%, Height=1.6mm, Height - Seated (Max)=0.071inch, Lead Free="Lead Free", Lead Pitch=1.2mm, Length=3.2mm, Life (Hours)=2000Hour, Mount="Surface Mount,PCB", Number of Pins=2, Packaging="Tape and Reel", Polarity=Polar, Pricing 1="1=0.42, 10=0.239, 50=0.239, 100=0.144, 1000=0.118, 10000=0.08 (USD)", Radiation Hardening=No, REACH SVHC="No SVHC", Stock 1=2818, Supplier 1=Mouser, Termination=SMD/SMT, Voltage Rating=6.3V, Voltage Rating (DC)=6.3V, Width=0.063inch
C8 C60: "CAP TANT 10UF 10V 10% 1206", Capacitance=10uF, Case/Package=1206, Case Code (Metric)=3216, ESR (Equivalent Series Resistance)=3.8R, Manufacturer=KEMET, Manufacturer Part Number=T491A106K010AT7280, Max Operating Temperature=125°C, Min Operating Temperature=-55°C, Package Quantity=1, Supplier Part Number 1=80-T491A106K107280, Tolerance=10%, Voltage Rating=10V, Case Code (Imperial)=1206, ComponentLink1Description=https://datasheet.ciiva.com/12911/kem-t2005-t491-12911022.pdf, ComponentLink1URL=https://datasheet.ciiva.com/12911/kem-t2005-t491-12911022.pdf, ComponentLink2Description=https://datasheet.ciiva.com/6248/kem-t2005-t491-6248182.pdf, ComponentLink2URL=https://datasheet.ciiva.com/6248/kem-t2005-t491-6248182.pdf, Depth=1.6mm, Dissipation Factor=6%, Failure Rate=0.001%, Height=1.8mm, Height - Seated (Max)=0.071inch, Lead Free="Lead Free", Length=3.2mm, Life (Hours)=2000Hour, Mount="Surface Mount", Packaging="Tape and Reel", Polarity=Polar, Pricing 1="1=0.39, 10=0.223, 50=0.223, 100=0.134, 1000=0.096, 10000=0.074 (USD)", Resistance=3.8R, Stock 1=0, Supplier 1=Mouser, Termination=SMD/SMT, Width=0.063inch
C9: "TANTALUM CHIPS, TAN", Capacitance=4.7uF, Manufacturer="Kyocera AVX", Manufacturer Part Number=TAJA475K016UNJ, Supplier Part Number 1=581-TAJA475K016UNJ, *PCBChecked=1, *SCHChecked=1, Pricing 1="1=0.11, 10=0.11, 50=0.098, 100=0.088, 1000=0.064, 10000=0.056 (USD)", Stock 1=7169, Supplier 1=Mouser
C10 C72: ".010UF 16.0V", Capacitance=10nF, Case/Package=0402, Dielectric=X5R, Dielectric Material=Ceramic, Manufacturer=KEMET, Manufacturer Part Number=C0402C103K4PACTU, Supplier Part Number 1=80-C0402C103K4P, Tolerance=10%, Voltage Rating (DC)=16V, *PCBChecked=1, *SCHChecked=1, ComponentLink1Description=http://www.kemet.com/Lists/ProductCatalog/Attachments/19/KEM_C1006_X5R_SMD.pdf, ComponentLink1URL=http://www.kemet.com/Lists/ProductCatalog/Attachments/19/KEM_C1006_X5R_SMD.pdf, Lead Free="Lead Free", Pricing 1="1=0.11, 10=0.025, 50=0.025, 100=0.015, 1000=0.01, 10000=0.007 (USD)", Stock 1=39404, Supplier 1=Mouser
C13 C15 C23 C24 C26 C27 C31: "CAP TANT 1UF 25V 20% 1206", Capacitance=1uF, Case/Package=1206, Case Code (Metric)=3216, Dielectric Material=Tantalum, ESR (Equivalent Series Resistance)=7.6R, Leakage Current=500nA, Manufacturer="Vishay Sprague", Manufacturer Part Number=293D105X0025A2TE3, Max Operating Temperature=125°C, Min Operating Temperature=-55°C, Package Quantity=2000, Ripple Current=100mA, Supplier Part Number 1=74-293D105X0025A2TE3, Tolerance=20%, Voltage Rating=25V, Voltage Rating (DC)=200kV, *PCBChecked=1, *SCHChecked=1, Case Code (Imperial)=1206, ComponentLink1Description=https://datasheet.ciiva.com/16631/293d-16631739.pdf, ComponentLink1URL=https://datasheet.ciiva.com/16631/293d-16631739.pdf, ComponentLink2Description=https://datasheet.ciiva.com/11245/293d-11245007.pdf, ComponentLink2URL=https://datasheet.ciiva.com/11245/293d-11245007.pdf, ComponentLink3Description=https://datasheet.ciiva.com/22644/1910915-22644415.pdf, ComponentLink3URL=https://datasheet.ciiva.com/22644/1910915-22644415.pdf, ComponentLink4Description=https://datasheet.ciiva.com/16293/293d-16293686.pdf, ComponentLink4URL=https://datasheet.ciiva.com/16293/293d-16293686.pdf, ComponentLink5Description=https://datasheet.ciiva.com/12884/293d-239871-12884008.pdf, ComponentLink5URL=https://datasheet.ciiva.com/12884/293d-239871-12884008.pdf, ComponentLink6Description=https://datasheet.ciiva.com/268/293d-268331.pdf, ComponentLink6URL=https://datasheet.ciiva.com/268/293d-268331.pdf, Depth=1.6mm, Dissipation Factor=4%, Height=1.6mm, Height - Seated (Max)=0.071inch, Lead Free="Lead Free", Length=3.2mm, Mount="Surface Mount", Number of Pins=2, Packaging="Tape and Reel", Polarity=Polar, Pricing 1="1=0.17, 10=0.139, 50=0.135, 100=0.131, 1000=0.126, 10000=0.075 (USD)", Radiation Hardening=No, REACH SVHC=Unknown, Stock 1=4878, Supplier 1=Mouser, Termination=SMD/SMT, Width=1.6mm